# Altium PCB RV901-cnc-flipped.PcbDoc (part 3 of 4) (continued)
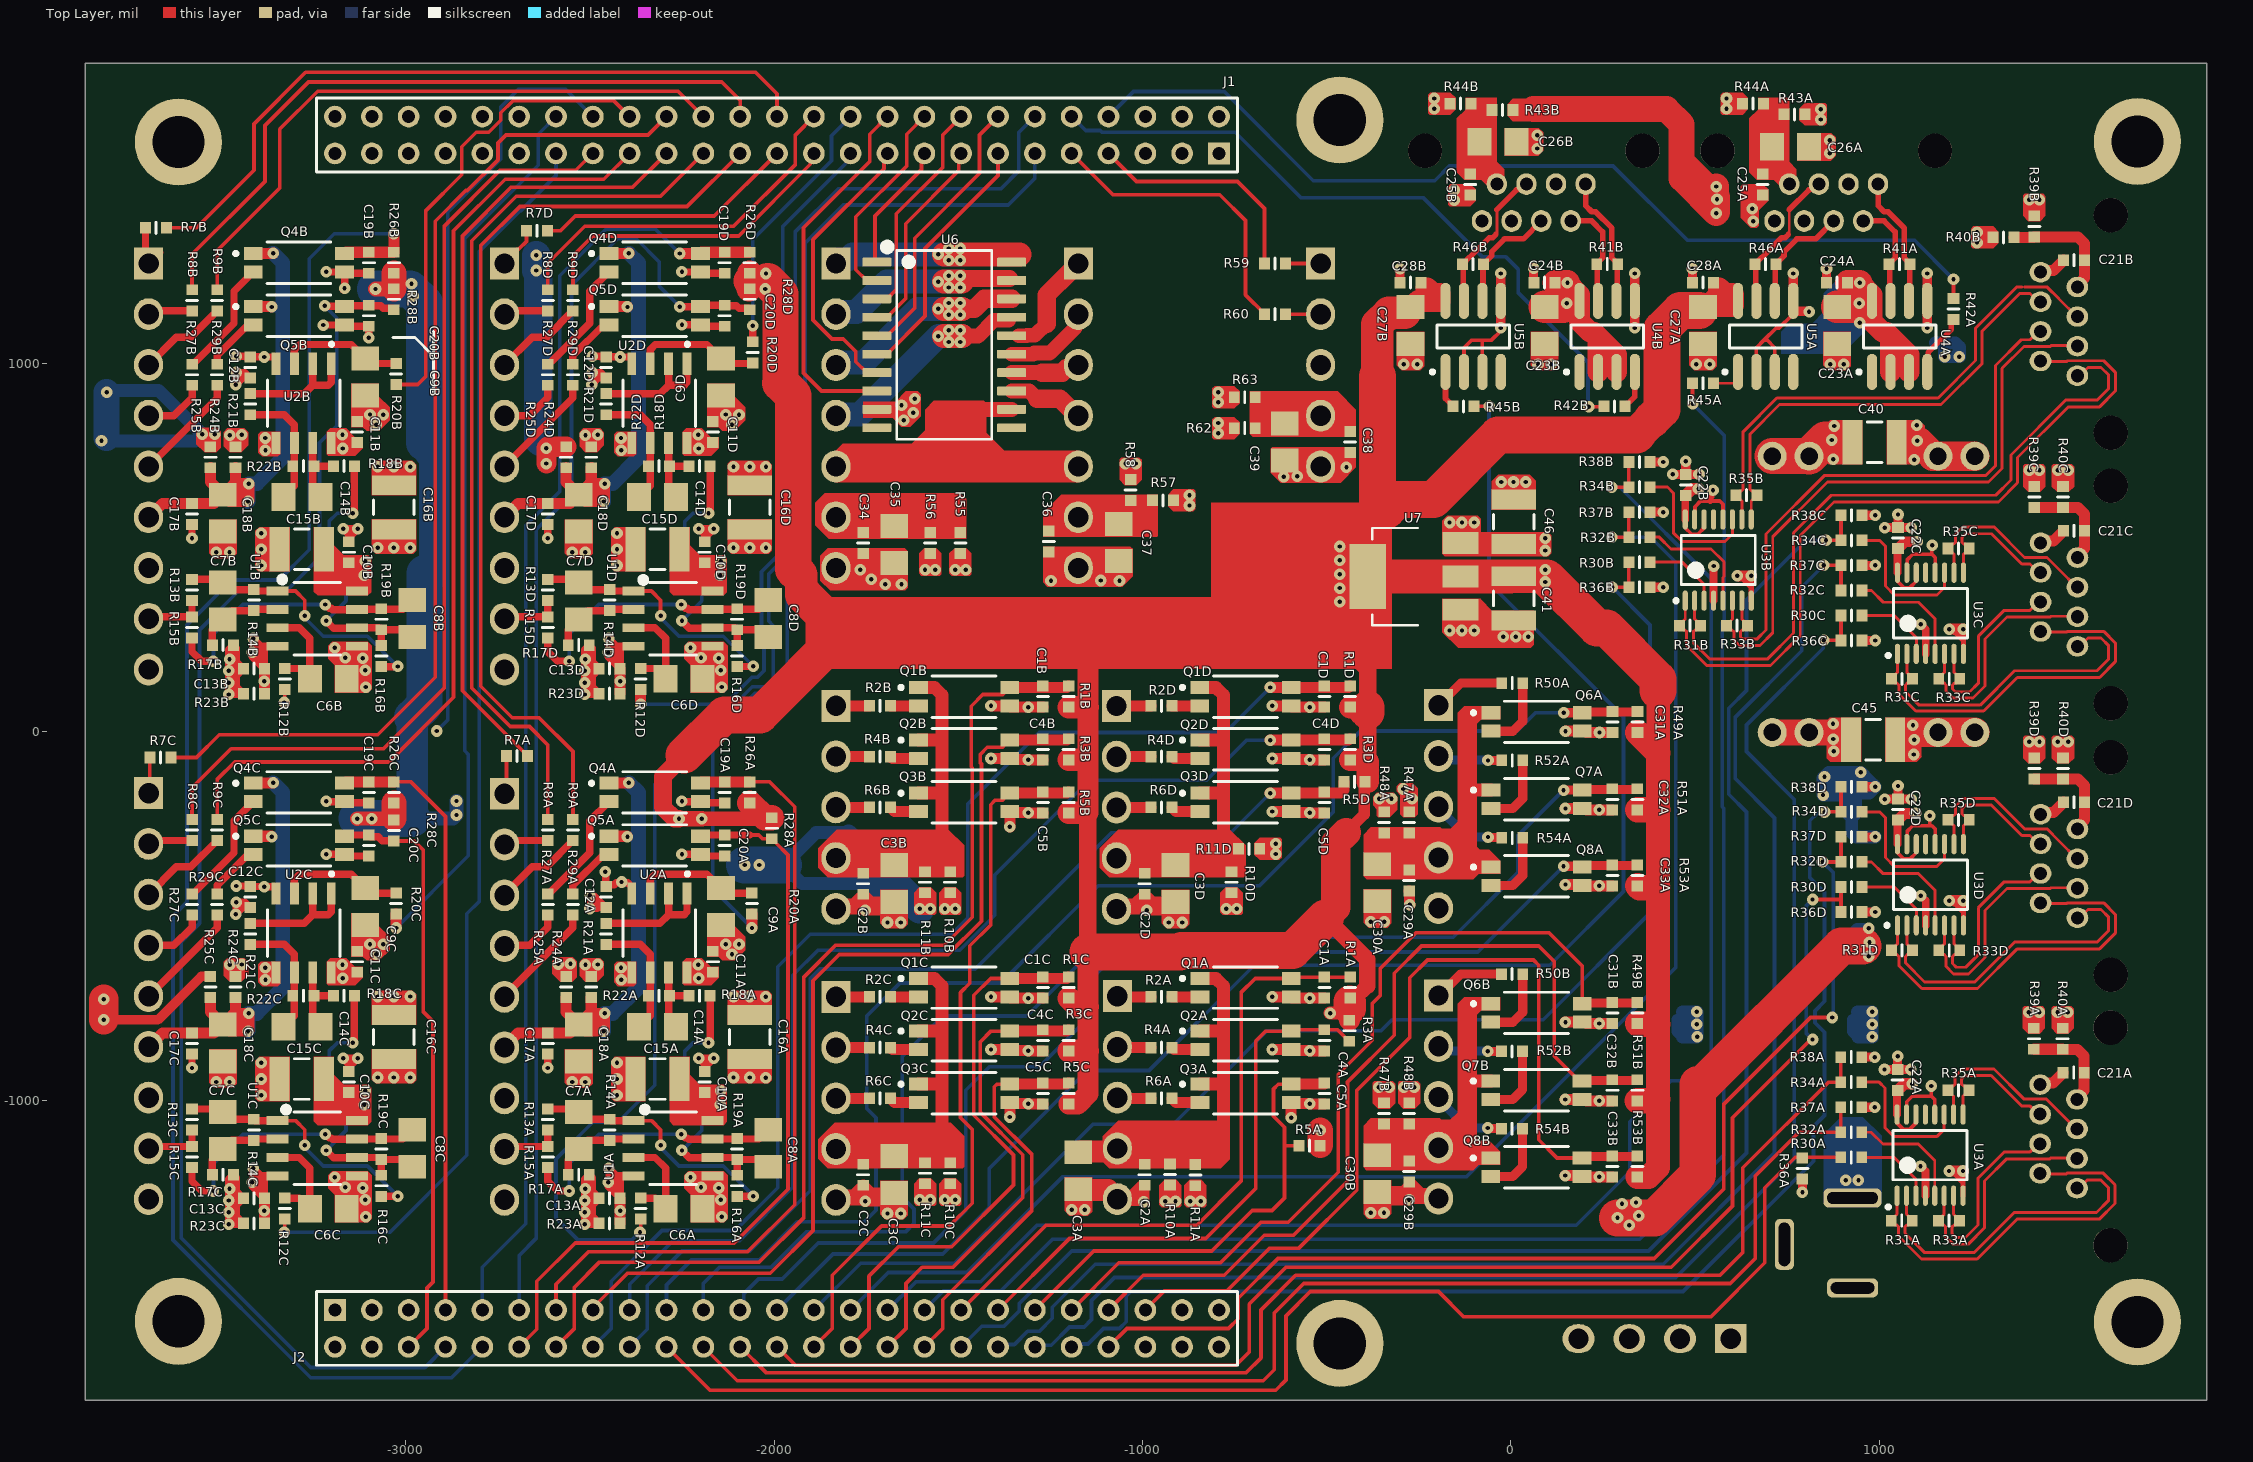
[diagram p0: Top Layer view]
## Nets (pads, with @x,y where several pads share a name; then routed paths per layer and width w, separated by ;. In a path a pad name is that pad's centre, name@x,y a point inside that pad or via, vN(x,y) a via of type N, cw(c..) or ccw(c..) an arc to the next point about the centre after c; other vN are vias at no path point) (continued)
  Top Layer w60: C3A.2@-1174.06,-1242.2 -1171.58,-1244.68 -1093.7,-1244.68 -1069.2,-1269.18 P3A.5@-1068.06,-1269.18
  Top Layer w80: 1081.94,-2 MOD1.3@1159.94,-2 MOD1.4@1259.94,-2 ; v1(1103.94,790) 1145.94,748 MOD1.7@1159.94,748 MOD1.8@1259.94,748
  Bottom Layer w30: 451.94,-781.73 451.94,-814 466.46,-828.53 ; C43.2@927.94,-781.73 927.94,-814 C43.2@942.46,-828.53
  Bottom Layer w35: 465.94,-794.53 v1(505.41,-794.53) ; 465.94,-760.53 v1(505.41,-760.53) v1(505.41,-794.53) ; 466.46,-828.53 v1(505.94,-828.53) 505.41,-828 v1(505.41,-794.53) ; C43.2@941.94,-794.53 v1(981.41,-794.53) ; C43.2@941.94,-760.53 v1(981.41,-760.53) v1(981.41,-794.53) ; C43.2@942.46,-828.53 v1(981.94,-828.53) 981.41,-828 v1(981.41,-794.53) ; v1(989.64,-285.5) 937.96,-285.5 925.94,-273.48 C42.2@925.94,-232.2 ; C44.2@1152.73,1056 C44.2@1179.31,1056 ; 847.94,-149 847.94,-126 v1(851.94,-122) ; 847.94,-149 v1(847.94,-172) C42.2@913.91,-172 ; 847.94,-149 850.96,-145.97 913.91,-145.97 ; v1(851.94,-122) 863.94,-110 v1(949.94,-110) ; v1(851.94,-122) 889.94,-122 913.91,-145.97 ; C42.2@913.91,-172 C42.2@925.94,-184.03 ; C42.2@913.91,-172 913.91,-220.18 C42.2@925.94,-232.2 ; C42.2@913.91,-172 913.91,-145.97 ; C42.2@925.94,-232.2 C42.2@925.94,-184.03 ; C42.2@925.94,-232.2 936.39,-221.75 C42.2@936.39,-168.6 ; C42.2@925.94,-184.03 925.94,-179.06 C42.2@936.39,-168.6 ; C42.2@936.39,-168.6 936.39,-123.55 v1(949.94,-110) ; C42.2@936.39,-168.6 C42.2@937.96,-167.03 ; C42.2@937.96,-167.03 971.99,-133 972.94,-133 ; C42.2@937.96,-167.03 972.11,-167.03 v1(989.64,-149.5) 989.44,-149.5 972.94,-133 ; v1(949.94,-110) 972.94,-133 ; C44.2@1179.31,1056 1177.94,1054.63 v1(1177.94,1018) v1(1217.94,1018) 1217.91,1043.97 1205.88,1056 C44.2@1179.31,1056
  other v1: -1192.06,-1298 -1156.06,-1298 -3380.88,-673.81 -2414.91,-673.81 -3381.59,-640.58 -2415.62,-640.58 -3080.05,-604.33 -2114.08,-604.33 -3097,-577.01 -3061.11,-577.11 -2131.03,-577.01 -2095.14,-577.11 1093.94,-62 1095.94,-22 1091.94,18 -20.06,258 13.54,258 47.14,258 -166.06,274.9 -132.46,274.9 -98.86,274.9 -1698.06,400 -1654.06,400 -1248.06,410 -1062.06,410 -1113.53,410.55 -1736.06,414 -1766.06,440 -2022.09,499.18 -26.06,678 7.54,678 41.14,678 -616.06,692 -580.06,694 -446.06,718 1095.94,738 -3380.88,764.19 -2414.91,764.19 -3381.59,797.42 -2415.62,797.42 1101.94,832 -3080.05,833.67 -2114.08,833.67 -1648.06,846 -3097,860.99 -3061.11,860.89 -2131.03,860.99 -2095.14,860.89 -1622.06,866 -1654.06,886 -1618.06,904 -290.09,997.18 -254.09,997.18 73.91,997.18 109.91,997.18 503.91,997.18 539.91,997.18 867.91,997.18 903.91,997.18 657.94,1386 655.94,1420 -153.55,1442.64 -153.55,1470.64 865.94,1570 71.91,1583.18 865.94,1606 71.91,1619.18
GPI_1: C31A.1 J2.19 Q6A.4 R49A.1 | length 3778.6
  Top Layer w25: v1(143.65,51.46) Q6A.4@194.2,51.46 195.98,53.23 342.42,53.23 R49A.1@344.19,55
  Bottom Layer w10: J2.19@-2292.06,-1570.08 -2292.06,-1502 -2224.06,-1434 -2040.06,-1434 -1936.06,-1330 -1754.06,-1330 -1723.35,-1299.28 -1723.35,-1048 -1748.06,-1023.28 -1748.06,-772 -1658.06,-682 -1384.06,-682 -1120.06,-418 -682.06,-418 -482.06,-218 -482.06,-72 -408.06,2 17.94,2 67.39,51.46 v1(143.65,51.46)
GPI_2: C32A.1 J2.21 Q7A.4 R51A.1 | length 3533.4
  Top Layer w25: v1(143.43,-158.54) Q7A.4@193.98,-158.54 195.76,-156.77 342.2,-156.77 R51A.1@343.97,-155
  Bottom Layer w10: J2.21@-2192.06,-1570.08 -2192.06,-1498 -2148.06,-1454 -2008.06,-1454 -1912.06,-1358 -1643.31,-1358 -1620.06,-1334.75 -1620.06,-1295.51 -1652.06,-1263.51 -1652.06,-882 -1542.06,-772 -1314.06,-772 -1100.06,-558 -156.06,-558 19.94,-382 19.94,-282.03 v1(143.43,-158.54)
GPI_3: C33A.1 J2.23 Q8A.4 R53A.1 | length 3205.4
  Top Layer w25: v1(143.43,-365) 193.98,-365 195.76,-363.23 342.2,-363.23 R53A.1@343.97,-361.46
  Bottom Layer w10: J2.23@-2092.06,-1570.08 -2082.68,-1560.69 -2082.68,-1526.61 -2042.06,-1486 -1978.06,-1486 -1880.06,-1388 -1567.35,-1388 -1479.35,-1300 -1479.35,-973.28 -1416.06,-910 -1280.06,-910 -1154.06,-784 -1154.06,-686 -1066.06,-598 -89.57,-598 v1(143.43,-365)
GPI_4: C31B.1 J2.41 Q6B.4 R49B.1 | length 2356.1
  Top Layer w10: J2.41@-1192.06,-1570.08 -1063.99,-1442 -788.06,-1442 -678.06,-1332 -604.06,-1332 -468.06,-1196 -468.06,-930 -376.06,-838 -376.06,-738 -354.06,-716 -354.06,-643.09 -256.97,-546 103.94,-546 193.95,-636.02 Q6B.4@193.95,-738.54
  Top Layer w25: Q6B.4@195.72,-736.77 342.17,-736.77 R49B.1@343.94,-735
GPI_5: C32B.1 J2.43 Q7B.4 R51B.1 | length 2402.4
  Top Layer w10: J2.43@-1092.06,-1570.08 -997.99,-1476 -778.06,-1476 -669.06,-1367 -589.57,-1367 -443.06,-1220.5 -443.06,-951 -316.06,-824 -316.06,-656 -242.06,-582 75.94,-582 117.94,-624 117.94,-880.62 185.86,-948.54 Q7B.4@193.73,-948.54
  Top Layer w25: Q7B.4@195.5,-946.77 341.94,-946.77 R51B.1@343.72,-945
GPI_6: C33B.1 J2.45 Q8B.4 R53B.1 | length 2482.4
  Top Layer w10: J2.45@-992.06,-1570.08 -939.99,-1518 -770.06,-1518 -654.06,-1402 -575.07,-1402 -418.06,-1244.99 -418.06,-974 -274.06,-830 -274.06,-667.74 -226.32,-620 61.94,-620 75.94,-634 75.94,-1108 125.48,-1157.54 Q8B.4@193.73,-1157.54
  Top Layer w25: Q8B.4@195.5,-1153.23 341.94,-1153.23 R53B.1@343.72,-1151.46
GPI_VCCA: C29A.1 C30A.1 P5A.4 Q6A.1 Q7A.1 Q8A.1 R47A.2 R48A.1 | length 58.3
  Top Layer w35: -112.35,-158.54 Q7A.1@-54.05,-158.54
GPI_VCCB: C29B.1 C30B.1 P5B.4 Q6B.1 Q7B.1 Q8B.1 R47B.2 R48B.1 | length 58.3
  Top Layer w35: -112.61,-948.54 Q7B.1@-54.3,-948.54
GPO_1: J1.17 U6.1 | length 352.6
  Top Layer w10: U6.1@-1721.13,1275 -1721.13,1276.88 -1726.06,1281.81 -1726.06,1400 -1599.51,1526.55 -1599.51,1562.63 J1.17@-1592.06,1570.08
GPO_2: J1.18 U6.2 | length 561.8
  Top Layer w10: U6.2@-1721.13,1225 -1748.69,1225 -1778.06,1254.37 -1778.06,1398 -1640.06,1536 -1640.06,1622.08 J1.18@-1592.06,1670.08
GPO_3: J1.16 U6.3 | length 606.1
  Top Layer w10: U6.3@-1721.13,1175 -1693.57,1175 -1668.06,1200.51 -1668.06,1406 -1542.06,1532 -1542.06,1620.08 J1.16@-1492.06,1670.08
GPO_4: J1.15 U6.4 | length 556.1
  Top Layer w10: U6.4@-1721.13,1125 -1693.57,1125 -1642.78,1175.79 -1642.78,1379.28 -1498.51,1523.55 -1498.51,1563.63 J1.15@-1492.06,1570.08
GPO_5: J1.14 U6.5 | length 747.5
  Top Layer w10: U6.5@-1721.13,1075 -1693.57,1075 -1618.06,1150.51 -1618.06,1340 -1442.06,1516 -1442.06,1620.08 J1.14@-1392.06,1670.08
GPO_6: J1.13 U6.6 | length 697.5
  Top Layer w10: U6.6@-1721.13,1025 -1693.57,1025 -1590.06,1128.51 -1590.06,1312 -1392.06,1510 J1.13@-1392.06,1570.08
GPO_7: J1.19 U6.7 | length 784.4
  Top Layer w10: U6.7@-1721.13,975 -1748.69,975 -1778.06,1004.37 -1778.06,1032 -1812.06,1066 -1842.58,1066 -1894.06,1117.48 -1894.06,1336 -1701.45,1528.61 -1701.45,1560.69 J1.19@-1692.06,1570.08
GPO_8: J1.20 U6.8 | length 1009.7
  Top Layer w10: U6.8@-1721.13,925 -1871.06,925 -1920.06,974 -1920.06,1368 -1740.06,1548 -1740.06,1622.08 J1.20@-1692.06,1670.08
GPO_9: J1.7 R59.1 | length 634.7
  Top Layer w10: J1.7@-1092.06,1570.08 -1015.99,1494 -742.06,1494 -668.61,1420.54 R59.1@-668.61,1271.27
GPO_10: J1.9 R60.1 | length 823.3
  Top Layer w10: J1.9@-1192.06,1570.08 -1079.99,1458 -790.06,1458 -720.06,1388 -720.06,1185.92 -668.61,1134.46 R60.1@-668.61,1133.48
GPO_B1: P6.1 U6.20 | length 550.5
  Top Layer w65: -1538.06,1296 -1334.06,1296
  Bottom Layer w65: P6.1@-1832.06,1271.27 -1832.06,1275.21 -1825.19,1282.08 -1801.03,1282.08 -1787.12,1296 -1498.06,1296
  other v1: -1526.06,1280 -1494.06,1280 -1554.06,1296 -1526.06,1312 -1494.06,1312
GPO_B2: P6.2 U6.19 | length 553.9
  Top Layer w45: -1490.06,1222 -1481.56,1230.5 U6.19@-1360.49,1230.5
  Top Layer w65: -1538.06,1222 -1490.06,1222
  Bottom Layer w65: P6.2@-1832.06,1133.48 -1832.06,1133.7 -1825.72,1140.05 -1776.02,1140.05 -1694.06,1222 -1496.06,1222
  other v1: -1526.06,1206 -1494.06,1206 -1554.06,1222 -1526.06,1238 -1494.06,1238
GPO_B3: P6.3 U6.18 | length 599.5
  Top Layer w50: -1490.06,1148 -1456.47,1148 -1429.47,1175 U6.18@-1354.99,1175
  Top Layer w65: -1538.06,1148 -1490.06,1148
  Bottom Layer w65: P6.3@-1832.06,995.68 -1832.06,995.9 -1825.72,1002.25 -1755.81,1002.25 -1610.06,1148 v1(-1554.06,1148) -1490.06,1148
  other v1: -1526.06,1132 -1494.06,1132 -1526.06,1164 -1494.06,1164
GPO_B4: P6.4 U6.17 | length 624.1
  Top Layer w40: -1490.06,1074 -1446.06,1074 -1403.25,1116.81 U6.17@-1363.18,1116.81
  Top Layer w65: -1538.06,1074 -1490.06,1074
  Bottom Layer w65: P6.4@-1832.06,857.89 -1829.26,860.69 -1767.37,860.69 v1(-1554.06,1074) -1490.06,1074
  other v1: -1526.06,1058 -1494.06,1058 -1526.06,1090 -1494.06,1090
GPO_B5: P7.1 U6.16 | length 290.4
  Top Layer w40: U6.16@-1335.62,1075 -1314.4,1075 -1313.4,1076 -1292.06,1076 -1260.06,1108 ; P7.1@-1197.37,1247.97 -1193.43,1247.97 -1174.06,1267.34 P7.1@-1174.06,1271.27
  Top Layer w50: -1260.06,1108 -1260.06,1185.27 P7.1@-1197.37,1247.97
GPO_B6: P7.2 U6.15 | length 242
  Top Layer w40: U6.15@-1354.99,1025 -1296.51,1025 -1293.51,1028 -1252.06,1028 -1181.48,1098.59 -1181.48,1126.07 P7.2@-1174.06,1133.48
GPO_B7: P7.3 U6.14 | length 189.5
  Top Layer w40: U6.14@-1354.99,975 -1271.56,975
  Top Layer w50: -1271.56,975 -1217.72,975 -1206.47,986.25 -1183.5,986.25 P7.3@-1174.06,995.68
GPO_B8: P7.4 U6.13 | length 208.7
  Top Layer w40: U6.13@-1354.99,925 -1307.09,925 -1286.09,904
  Top Layer w50: -1286.09,904 -1224.01,904 -1177.9,857.89 P7.4@-1174.06,857.89
IN_A_ENC_A: J2.20 R30A.2 R36A.2 | length 3776.5
  Top Layer w10: J2.20@-2292.06,-1670.08 -2174.14,-1788 -638.06,-1788 -610.06,-1760 -610.06,-1586 -544.06,-1520 -196.06,-1520 -128.06,-1588 543.94,-1588 689.94,-1442 689.94,-1238 772.43,-1155.5 R30A.2@895.81,-1155.5
IN_A_ENC_B: J2.22 R32A.2 R37A.2 | length 3694.8
  Top Layer w10: J2.22@-2192.06,-1670.08 -2100.14,-1762 -672.06,-1762 -642.06,-1732 -642.06,-1578 -562.06,-1498 595.94,-1498 663.94,-1430 663.94,-1206 782.43,-1087.5 R32A.2@895.81,-1087.5 R37A.2@895.81,-1019.5
IN_A_ENC_Z: J2.24 R34A.2 R38A.2 | length 3622.3
  Top Layer w10: J2.24@-2092.06,-1670.08 -2022.14,-1740 -718.06,-1740 -678.06,-1700 -678.06,-1570 -584.06,-1476 567.94,-1476 629.94,-1414 629.94,-1184 862.43,-951.5 R34A.2@895.81,-951.5 R38A.2@895.81,-883.5
IN_A_END1: C1A.1 J2.35 Q1A.4 R1A.1 | length 1730.3
  Top Layer w10: J2.35@-1492.06,-1570.08 -1261.99,-1340 -852.06,-1340 -732.06,-1220 -732.06,-708 -693.88,-669.82 Q1A.4@-596.05,-669.82 -592.5,-666.28 C1A.1@-506.06,-666.28 R1A.1@-436.06,-666.28
IN_A_END2: C4A.1 J2.37 Q2A.4 R3A.1 | length 1529.2
  Top Layer w10: J2.37@-1401.11,-1579.13 -1197.99,-1376 -828.06,-1376 -692.06,-1240 -692.06,-840 -664.88,-812.82 Q2A.4@-596.03,-812.82 -592.49,-809.28 C4A.1@-506.06,-809.28 -470.32,-809.28 -439.05,-840.54 R3A.1@-438.06,-840.54
IN_A_END3: C5A.1 J2.39 Q3A.4 R5A.1 | length 1303.8
  Top Layer w10: J2.39@-1298.06,-1576.07 -1131.99,-1410 -812.06,-1410 -702.06,-1300 -648.06,-1300 -614.06,-1266 -614.06,-1124 ; Q3A.4@-596.03,-956.82 -630.88,-956.82 -644.06,-970 -644.06,-1044 -614.06,-1074 -614.06,-1124 ; R5A.1@-574.61,-1124 -614.06,-1124
  Top Layer w30: Q3A.4@-596.03,-956.82 C5A.1@-506.06,-956.82
IN_A_ERR: C20A.1 J2.12 Q5A.4 R28A.1 | length 2153.5
  Top Layer w10: J2.12@-2692.06,-1670.08 -2644.06,-1622.08 -2644.06,-1492 -2540.06,-1388 -2108.06,-1388 -1962.06,-1242 -1962.06,-334.54 -1995.31,-301.29 -1995.31,-300.31 -2005.08,-290.54 -2031.52,-290.54 -2041.79,-280.28 -2066.09,-280.28
  Top Layer w20: Q5A.4@-2200.08,-283.82 -2196.54,-280.28 C20A.1@-2134.09,-280.28 -2066.09,-280.28
IN_A_OC: C19A.1 J2.13 Q4A.4 R26A.1 | length 2173.1
  Top Layer w10: J2.13@-2592.06,-1570.08 -2592.06,-1500 -2504.06,-1412 -2072.06,-1412 -1944.06,-1284 -1944.06,-204 -2011.79,-136.28 R26A.1@-2066.09,-136.28
  Top Layer w30: Q4A.4@-2200.08,-139.82 -2196.54,-136.28 C19A.1@-2134.09,-136.28 R26A.1@-2066.09,-136.28
IN_X_ENC_A: J2.27 R30B.2 R36B.2 | length 3755.7
  Top Layer w10: v1(275.94,392) 320.65,392 R36B.2@320.78,392.13 R30B.2@320.78,460.13
  Bottom Layer w10: J2.27@-1892.07,-1570.08 -1764.99,-1443 -1511.06,-1443 -1134.06,-1066 -916.06,-1066 -662.06,-812 -352.06,-812 -322.06,-782 87.94,-782 377.94,-492 377.94,290 v1(275.94,392)
IN_X_ENC_B: J2.29 R32B.2 R37B.2 | length 4042.3
  Top Layer w10: v1(273.94,528) 320.65,528 R32B.2@320.78,528.13 R37B.2@320.78,596.13
  Bottom Layer w10: J2.29@-1792.06,-1570.08 -1689.99,-1468 -1476.06,-1468 -1216.71,-1208.65 -120.71,-1208.65 447.94,-640 447.94,460 379.94,528 v1(273.94,528)
IN_X_ENC_Z: J2.31 R34B.2 R38B.2 | length 4382.8
  Top Layer w10: v1(273.94,664) 320.65,664 R34B.2@320.78,664.13 R38B.2@320.78,732.13
  Bottom Layer w10: J2.31@-1692.06,-1570.08 -1614.99,-1493 -1439.06,-1493 -1286.06,-1340 177.94,-1340 322.94,-1195 322.94,-1059 433.94,-948 471.94,-948 543.94,-876 543.94,416 295.94,664 v1(273.94,664)
IN_X_END1: C1B.1 J2.14 Q1B.4 R1B.1 | length 2923.1
  Top Layer w10: J2.14@-2592.06,-1670.08 -2542.06,-1620.08 -2542.06,-1508 -2474.06,-1440 -2040.06,-1440 -1919.06,-1319 -1919.06,-665.64 -1833.42,-580 -1538.06,-580 -1462.06,-504 -1462.06,-97.85 -1464.83,-95.08 -1464.83,69.24 -1433.17,100.9 -1379.36,100.9 Q1B.4@-1360.08,120.18
  Top Layer w30: Q1B.4@-1360.08,120.18 -1204.15,120.18 -1200.61,123.72 R1B.1@-1200.09,123.72
IN_X_END2: C4B.1 J2.15 Q2B.4 R3B.1 | length 2604.6
  Top Layer w10: J2.15@-2492.06,-1570.08 -2492.06,-1564 -2398.06,-1470 -2010.06,-1470 -1894.06,-1354 -1894.06,-676 -1823.06,-605 -1527.71,-605 -1437.06,-514.36 -1437.06,-87.49 -1439.83,-84.73 -1439.83,-60.91 -1421.02,-42.1 -1379.35,-42.1 Q2B.4@-1360.06,-22.82
  Top Layer w30: Q2B.4@-1360.06,-22.82 -1204.15,-22.82 -1200.61,-19.28 R3B.1@-1200.09,-19.28
IN_X_END3: C5B.1 J2.28 Q3B.4 R5B.1 | length 2031.6
  Top Layer w10: J2.28@-1892.07,-1670.08 -1842.06,-1620.08 -1842.06,-1476 -1708.06,-1342 -1524.06,-1342 -1462.06,-1280 -1462.06,-1080 -1494.06,-1048 -1494.06,-708.36 -1468.71,-683 -1468.71,-581.36 -1412.06,-524.71 -1412.06,-198 -1400.17,-186.1 -1379.35,-186.1 Q3B.4@-1360.06,-166.82
  Top Layer w30: Q3B.4@-1360.06,-166.82 -1204.15,-166.82 -1200.61,-163.28 R5B.1@-1200.09,-163.28
IN_X_ERR: C20B.1 J2.8 Q5B.4 R28B.1 | length 3879.3
  Top Layer w20: v1(-3220.06,1156) -3219.15,1155.09 Q5B.4@-3165.14,1155.09 ; Q5B.4@-3166.05,1154.18 Q5B.4@-3165.14,1155.09 ; Q5B.4@-3162.5,1157.72 Q5B.4@-3164.28,1155.95 ; R28B.1@-3032.06,1145.46 -3036.26,1149.66 -3060.8,1149.66 -3068,1156.85 -3099.19,1156.85 C20B.1@-3100.06,1157.72 -3101.83,1155.95 Q5B.4@-3164.28,1155.95 ; Q5B.4@-3165.14,1155.09 Q5B.4@-3164.28,1155.95
  Bottom Layer w10: v1(-3220.06,1156) -3187.31,1123.25 -3187.31,830.95 -3234.06,784.2 -3234.06,472 -3322.06,384 -3452.06,384 -3560.06,276 -3560.06,-520.38 -3609.03,-569.35 -3609.03,-1375.03 -3258.06,-1726 -2947.99,-1726 J2.8@-2892.06,-1670.08
IN_X_OC: C19B.1 J2.10 Q4B.4 R26B.1 | length 4365.8
  Top Layer w30: Q4B.4@-3166.05,1298.18 -3162.5,1301.72 C19B.1@-3100.06,1301.72 R26B.1@-3032.06,1301.72 v1(-3032.06,1352)
  Bottom Layer w10: v1(-3032.06,1352) -3194.06,1352 -3262.06,1284 -3262.06,494 -3344.06,412 -3472.06,412 -3594.06,290 -3594.06,-462 -3632.06,-500 -3632.06,-1380 -3258.06,-1754 -2875.99,-1754 J2.10@-2792.06,-1670.08
IN_Y_ENC_A: J2.40 R30C.2 R36C.2 | length 3967.7
  Top Layer w10: v1(849.94,248) 896.31,248 R36C.2@896.81,247.5 R30C.2@896.81,315.5
  Bottom Layer w10: J2.40@-1292.06,-1670.08 -1287.39,-1665.41 -1247.54,-1665.41 -1198.13,-1616 -1158.06,-1616 -1138.06,-1596 -1138.06,-1544 -1076.06,-1482 447.94,-1482 769.94,-1160 769.94,-184 639.94,-54 639.94,18 848.19,226.26 848.19,246.26 v1(849.94,248)
IN_Y_ENC_B: J2.38 R32C.2 R37C.2 | length 4197.9
  Top Layer w10: v1(849.94,452) 896.31,452 R37C.2@896.81,451.5 R32C.2@896.81,383.5
  Bottom Layer w10: J2.38@-1392.06,-1670.08 -1385.46,-1663.47 -1347.54,-1663.47 -1311.61,-1627.55 -1279.61,-1627.55 -1244.65,-1592.58 -1244.65,-1562.52 -1128.13,-1446 413.94,-1446 715.94,-1144 715.94,-234 609.94,-128 609.94,40 789.94,220 789.94,392 v1(849.94,452)
IN_Y_ENC_Z: J2.36 R34C.2 R38C.2 | length 4295.7
  Top Layer w10: v1(855.94,520) 896.31,520 R34C.2@896.81,519.5 R38C.2@896.81,587.5
  Bottom Layer w10: J2.36@-1492.06,-1670.08 -1435.99,-1614 -1375.84,-1614 -1334.59,-1572.75 -1334.59,-1552.46 -1192.13,-1410 373.94,-1410 639.94,-1144 639.94,-218 591.94,-170 591.94,64 639.94,112 639.94,358 801.94,520 v1(855.94,520)
IN_Y_END1: C1C.1 J2.30 Q1C.4 R1C.1 | length 1545
  Top Layer w10: J2.30@-1792.06,-1670.08 -1742.06,-1620.08 -1742.06,-1478 -1662.06,-1398 -1517.42,-1398 -1350.06,-1230.64 -1350.06,-1148.91 -1457.83,-1041.15 -1457.83,-715.76 -1411.88,-669.82 Q1C.4@-1360.08,-669.82
  Top Layer w30: Q1C.4@-1360.08,-669.82 -1204.15,-669.82 -1200.61,-666.28 R1C.1@-1200.09,-666.28
IN_Y_END2: C4C.1 J2.32 Q2C.4 R3C.1 | length 1330.3
  Top Layer w10: J2.32@-1692.06,-1670.08 -1642.06,-1620.08 -1642.06,-1498 -1598.06,-1454 -1514.06,-1454 -1325.06,-1265 -1325.06,-1148.46 -1439.83,-1033.69 -1439.83,-841.76 -1410.88,-812.82 Q2C.4@-1360.06,-812.82
  Top Layer w30: Q2C.4@-1360.06,-812.82 -1204.15,-812.82 -1200.61,-809.28 R3C.1@-1200.09,-809.28
IN_Y_END3: C5C.1 J2.34 Q3C.4 R5C.1 | length 1075.7
  Top Layer w10: J2.34@-1592.06,-1670.08 -1542.06,-1620.08 -1542.06,-1542 -1300.06,-1300 -1300.06,-1148 -1402.06,-1046 -1402.06,-964 -1394.88,-956.82 Q3C.4@-1360.06,-956.82
  Top Layer w30: Q3C.4@-1360.06,-956.82 -1204.15,-956.82 -1200.61,-953.28 R5C.1@-1200.09,-953.28
IN_Y_ERR: C20C.1 J2.6 Q5C.4 R28C.1 | length 1618.9
  Top Layer w10: R28C.1@-3032.06,-296.54 -2977.52,-296.54 -2952.06,-322 -2952.06,-761 -2926.06,-787 -2926.06,-1494 -2942.06,-1510 -2942.06,-1620.08 J2.6@-2992.06,-1670.08
  Top Layer w20: Q5C.4@-3166.05,-283.82 -3162.5,-280.28 C20C.1@-3100.06,-280.28 -3095.3,-285.04 -3075.02,-285.04 -3064.26,-295.8 -3032.8,-295.8 R28C.1@-3032.06,-296.54
IN_Y_OC: C19C.1 J2.7 Q4C.4 R26C.1 | length 1654.4
  Top Layer w10: R26C.1@-3032.06,-136.28 -2985.79,-136.28 -2892.06,-230 J2.7@-2892.06,-1570.08
  Top Layer w30: Q4C.4@-3166.05,-139.82 -3162.5,-136.28 C19C.1@-3100.06,-136.28 R26C.1@-3032.06,-136.28
IN_Z_ENC_A: J2.26 R30D.2 R36D.2 | length 3954.4
  Top Layer w10: J2.26@-1992.06,-1670.08 -1942.14,-1720 -746.06,-1720 -710.06,-1684 -710.06,-1554 -610.06,-1454 435.94,-1454 601.94,-1288 601.94,-1048 v1@816.94,-833 ; v1(819.44,-835.5) v1@819.94,-836 ; v1(819.44,-455.5) 896.81,-455.5 ; R36D.2@896.81,-489.5 896.81,-455.5 ; R30D.2@896.81,-421.5 896.81,-455.5
  Bottom Layer w10: v1(819.44,-835.5) 801.94,-818 801.94,-473.01 v1(819.44,-455.5)
IN_Z_ENC_B: J2.44 R32D.2 R37D.2 | length 3057.1
  Top Layer w10: J2.44@-1092.06,-1670.08 -1041.99,-1620 -766.06,-1620 -740.06,-1594 -740.06,-1538 -632.06,-1430 389.94,-1430 577.94,-1242 577.94,-1012 813.94,-776 v1(872.66,-776) ; v1(846.43,-353.5) R32D.2@896.81,-353.5 R37D.2@896.81,-285.5
  Bottom Layer w10: v1(846.43,-353.5) 875.94,-383.01 875.94,-772.72 v1(872.66,-776)
IN_Z_ENC_Z: J2.42 R34D.2 R38D.2 | length 3401.4
  Top Layer w10: v1(851.94,-218) 852.43,-217.5 R34D.2@896.81,-217.5 R38D.2@896.81,-149.5
  Bottom Layer w10: J2.42@-1192.06,-1670.08 -1184.13,-1662.15 -1147.54,-1662.15 -1105.39,-1620 -1062.06,-1620 -1044.06,-1602 -1044.06,-1532 -1032.06,-1520 467.94,-1520 821.94,-1166 821.94,-1072 851.94,-1042 851.94,-816 825.94,-790 825.94,-758 851.94,-732 851.94,-436 811.94,-396 811.94,-242 832.19,-221.74 848.19,-221.74 v1(851.94,-218)
IN_Z_END1: C1D.1 J2.16 Q1D.4 R1D.1 | length 3407.1
  Top Layer w30: v1(-653.09,120.18) Q1D.4@-596.08,120.18 -440.15,120.18 -436.61,123.72 R1D.1@-436.09,123.72
  Bottom Layer w10: J2.16@-2492.06,-1670.08 -2442.06,-1620.08 -2442.06,-1492 -2304.06,-1354 -2106.06,-1354 -1990.06,-1238 -1990.06,-638 -1902.06,-550 -1518.06,-550 -1474.06,-506 -1474.06,-196 -1280.06,-2 -775.28,-2 v1(-653.09,120.18)
IN_Z_END2: C4D.1 J2.17 Q2D.4 R3D.1 | length 3040.9
  Top Layer w30: v1(-653.08,-22.82) Q2D.4@-596.06,-22.82 -440.15,-22.82 -436.61,-19.28 R3D.1@-436.09,-19.28
  Bottom Layer w10: J2.17@-2392.06,-1570.08 -2392.06,-1500 -2274.06,-1382 -2094.06,-1382 -1949.06,-1237 -1949.06,-661 -1881.06,-593 -1495.71,-593 -1401.06,-498.36 -1401.06,-389 -1144.06,-132 -826.06,-132 -716.88,-22.82 v1(-653.08,-22.82)
IN_Z_END3: C5D.1 J2.18 Q3D.4 R5D.1 | length 2994
  Top Layer w30: v1(-653.08,-166.82) Q3D.4@-596.06,-166.82 -462.06,-166.82 -452.84,-157.6 -452.84,-136.24 R5D.1@-452.61,-136
  Bottom Layer w10: J2.18@-2392.06,-1670.08 -2344.06,-1622.08 -2344.06,-1504 -2250.06,-1410 -2066.06,-1410 -1902.06,-1246 -1902.06,-670 -1876.06,-644 -1454.06,-644 -1084.06,-274 -760.26,-274 v1(-653.08,-166.82)
IN_Z_ERR: C20D.1 J2.11 Q5D.4 R28D.1 | length 3498.3
  Top Layer w20: v1(-2255.88,1154.18) Q5D.4@-2200.08,1154.18 -2196.54,1157.72 C20D.1@-2134.09,1157.72 -2133.24,1156.87 -2102.01,1156.87 -2094.8,1149.66 -2070.26,1149.66 R28D.1@-2066.06,1145.46
  Bottom Layer w10: J2.11@-2692.06,-1570.08 -2692.06,-1422 -2646.06,-1376 -2646.06,548 -2550.06,644 -2550.06,1212.14 -2424.21,1338 -2374.06,1338 -2312.06,1276 -2312.06,1210.36 v1(-2255.88,1154.18)
IN_Z_OC: C19D.1 J2.9 Q4D.4 R26D.1 | length 3492
  Top Layer w30: v1(-2256.24,1298.18) Q4D.4@-2200.08,1298.18 -2196.54,1301.72 C19D.1@-2134.09,1301.72 R26D.1@-2066.09,1301.72
  Bottom Layer w10: J2.9@-2792.06,-1570.08 -2792.06,-1454 -2674.06,-1336 -2674.06,560 -2582.06,652 -2582.06,1238 -2456.06,1364 -2322.06,1364 v1(-2256.24,1298.18)
NetC6A_1: C6A.1 R12A.2 U1A.3 | length 289.1
  Top Layer w20: U1A.3@-2381.81,-1155.82 -2323.31,-1155.82 -2294.51,-1184.62 C6A.1@-2294.51,-1294.82 -2323.06,-1266.28 R12A.2@-2362.31,-1266.28
NetC6B_1: C6B.1 R12B.2 U1B.3 | length 289.1
  Top Layer w20: U1B.3@-3347.78,282.18 -3289.28,282.18 -3260.48,253.38 C6B.1@-3260.48,143.18 -3289.02,171.72 R12B.2@-3328.28,171.72
NetC6C_1: C6C.1 R12C.2 U1C.3 | length 289.1
  Top Layer w20: U1C.3@-3347.78,-1155.82 -3289.28,-1155.82 -3260.48,-1184.62 C6C.1@-3260.48,-1294.82 -3289.02,-1266.28 R12C.2@-3328.28,-1266.28
NetC6D_1: C6D.1 R12D.2 U1D.3 | length 289.1
  Top Layer w20: U1D.3@-2381.81,282.18 -2323.31,282.18 -2294.51,253.38 C6D.1@-2294.51,143.18 -2323.06,171.72 R12D.2@-2362.31,171.72
NetC7A_1: C7A.1 R13A.1 R14A.1 R16A.1 U1A.1 | length 728.8
  Top Layer w10: U1A.1@-2381.81,-1055.82 -2333.09,-1055.82 -2308.09,-1080.82 v1(-2308.09,-1122.82)
  Top Layer w20: R13A.1@-2614.31,-1024.28 -2538.66,-1024.28 C7A.1@-2530.31,-1032.62 -2510.66,-1052.28 R14A.1@-2446.31,-1052.28 -2442.77,-1055.82 U1A.1@-2381.81,-1055.82 ; R16A.1@-2100.31,-1261.36 -2056.64,-1261.36 v1(-2056.09,-1260.82)
  Bottom Layer w10: v1(-2308.09,-1122.82) -2308.09,-1128.82 -2258.09,-1178.82 -2138.09,-1178.82 v1(-2056.09,-1260.82)
NetC7A_2: C7A.2 R14A.2 R17A.1 U1A.2 | length 241.4
  Top Layer w20: R17A.1@-2558.86,-1202.82 -2558.86,-1161.56 C7A.2@-2530.31,-1133.02 -2506.66,-1109.36 R14A.2@-2446.31,-1109.36 -2442.77,-1105.82 U1A.2@-2381.81,-1105.82
NetC7B_1: C7B.1 R13B.1 R14B.1 R16B.1 U1B.1 | length 728.8
  Top Layer w10: U1B.1@-3347.78,382.18 -3299.06,382.18 -3274.06,357.18 v1(-3274.06,315.18)
  Top Layer w20: R13B.1@-3580.28,413.72 -3504.63,413.72 C7B.1@-3496.28,405.38 -3476.63,385.72 R14B.1@-3412.28,385.72 -3408.74,382.18 U1B.1@-3347.78,382.18 ; R16B.1@-3066.28,176.64 -3022.61,176.64 v1(-3022.06,177.18)
  Bottom Layer w10: v1(-3274.06,315.18) -3274.06,309.18 -3224.06,259.18 -3104.06,259.18 v1(-3022.06,177.18)
NetC7B_2: C7B.2 R14B.2 R17B.1 U1B.2 | length 241.4
  Top Layer w20: R17B.1@-3524.83,235.18 -3524.83,276.44 C7B.2@-3496.28,304.98 -3472.63,328.64 R14B.2@-3412.28,328.64 -3408.74,332.18 U1B.2@-3347.78,332.18
NetC7C_1: C7C.1 R13C.1 R14C.1 R16C.1 U1C.1 | length 728.8
  Top Layer w10: U1C.1@-3347.78,-1055.82 -3299.06,-1055.82 -3274.06,-1080.82 v1(-3274.06,-1122.82)
  Top Layer w20: R13C.1@-3580.28,-1024.28 -3504.63,-1024.28 C7C.1@-3496.28,-1032.62 -3476.63,-1052.28 R14C.1@-3412.28,-1052.28 -3408.74,-1055.82 U1C.1@-3347.78,-1055.82 ; R16C.1@-3066.28,-1261.36 -3022.61,-1261.36 v1(-3022.06,-1260.82)
  Bottom Layer w10: v1(-3274.06,-1122.82) -3274.06,-1128.82 -3224.06,-1178.82 -3104.06,-1178.82 v1(-3022.06,-1260.82)
NetC7C_2: C7C.2 R14C.2 R17C.1 U1C.2 | length 241.4
  Top Layer w20: R17C.1@-3524.83,-1202.82 -3524.83,-1161.56 C7C.2@-3496.28,-1133.02 -3472.63,-1109.36 R14C.2@-3412.28,-1109.36 -3408.74,-1105.82 U1C.2@-3347.78,-1105.82
NetC7D_1: C7D.1 R13D.1 R14D.1 R16D.1 U1D.1 | length 728.8
  Top Layer w10: U1D.1@-2381.81,382.18 -2333.09,382.18 -2308.09,357.18 v1(-2308.09,315.18)
  Top Layer w20: R13D.1@-2614.31,413.72 -2538.66,413.72 C7D.1@-2530.31,405.38 -2510.66,385.72 R14D.1@-2446.31,385.72 -2442.77,382.18 U1D.1@-2381.81,382.18 ; R16D.1@-2100.31,176.64 -2099.85,177.11 -2056.56,177.11 v1(-2056.09,177.58)
  Bottom Layer w10: v1(-2308.09,315.18) -2308.09,309.18 -2258.09,259.18 -2138.09,259.18 -2056.49,177.58 v1(-2056.09,177.58)
NetC7D_2: C7D.2 R14D.2 R17D.1 U1D.2 | length 241.4
  Top Layer w20: R17D.1@-2558.86,235.18 -2558.86,276.44 C7D.2@-2530.31,304.98 -2506.66,328.64 R14D.2@-2446.31,328.64 -2442.77,332.18 U1D.2@-2381.81,332.18
NetC8A_1: C8A.1 R15A.1 R19A.2 U1A.7 | length 769.9
  Top Layer w20: R15A.1@-2614.31,-1183.36 -2614.31,-1220.6 -2588.09,-1246.82 v1(-2556.09,-1246.82) ; v1(-2252.09,-1092.82) -2241.84,-1103.07 -2236.12,-1103.07 -2232.37,-1106.82 -2167.81,-1106.82 U1A.7@-2166.81,-1105.82 -2100.31,-1105.82 -2041.51,-1105.82 C8A.1@-2016.31,-1080.62
  Bottom Layer w10: v1(-2556.09,-1246.82) -2556.09,-1172.82 -2476.09,-1092.82 v1(-2252.09,-1092.82)
NetC8A_2: C8A.2 R16A.2 R18A.2 R19A.1 U1A.6 | length 810.2
  Top Layer w20: v1(-2250.09,-1136.82) -2230.09,-1156.82 -2167.81,-1156.82 U1A.6@-2166.81,-1155.82 -2105.86,-1155.82 R19A.1@-2100.31,-1161.36 ; v1(-2178.09,-844.82) -2173.55,-840.28 R18A.2@-2173.55,-716.82 ; R16A.2@-2100.31,-1204.28 R19A.1@-2100.31,-1161.36 ; C8A.2@-2016.31,-1181.02 -2035.97,-1161.36 R19A.1@-2100.31,-1161.36
  Bottom Layer w10: v1(-2250.09,-1136.82) -2196.09,-1082.82 -2196.09,-986.82 -2242.09,-940.82 -2242.09,-866.82 -2220.09,-844.82 v1(-2178.09,-844.82)
NetC8B_1: C8B.1 R15B.1 R19B.2 U1B.7 | length 769.9
  Top Layer w20: R15B.1@-3580.28,254.64 -3580.28,217.4 -3554.06,191.18 v1(-3522.06,191.18) ; v1(-3218.06,345.18) -3207.81,334.93 -3202.08,334.93 -3198.34,331.18 -3133.78,331.18 U1B.7@-3132.78,332.18 -3066.28,332.18 -3007.48,332.18 C8B.1@-2982.28,357.38
  Bottom Layer w10: v1(-3522.06,191.18) -3522.06,265.18 -3442.06,345.18 v1(-3218.06,345.18)
NetC8B_2: C8B.2 R16B.2 R18B.2 R19B.1 U1B.6 | length 810.2
  Top Layer w20: v1(-3216.06,301.18) -3196.06,281.18 -3133.78,281.18 U1B.6@-3132.78,282.18 -3071.83,282.18 R19B.1@-3066.28,276.64 ; v1(-3144.06,593.18) -3139.52,597.72 R18B.2@-3139.52,721.18 ; R16B.2@-3066.28,233.72 R19B.1@-3066.28,276.64 ; C8B.2@-2982.28,256.98 -3001.94,276.64 R19B.1@-3066.28,276.64
  Bottom Layer w10: v1(-3216.06,301.18) -3162.06,355.18 -3162.06,451.18 -3208.06,497.18 -3208.06,571.18 -3186.06,593.18 v1(-3144.06,593.18)